# Altium PCB OCP-TimeCardMini-TI_V1.PcbDoc (part 10 of 11)
Units mil, origin at the board's own origin, x right, y up, seen from the top; angles counter-clockwise.
Board outline 5300.46 x 4396.02 mil, 10 copper layers (L01-TOP, L02-GND, L03-SIG, L04-GND, L05-PWR, L06-PWR, L07-GND, L08-SIG, L09-GND, L10-BOT), stack 77.164 mil thick; 832 components, 574 nets, 2904 pads, 1473 vias.
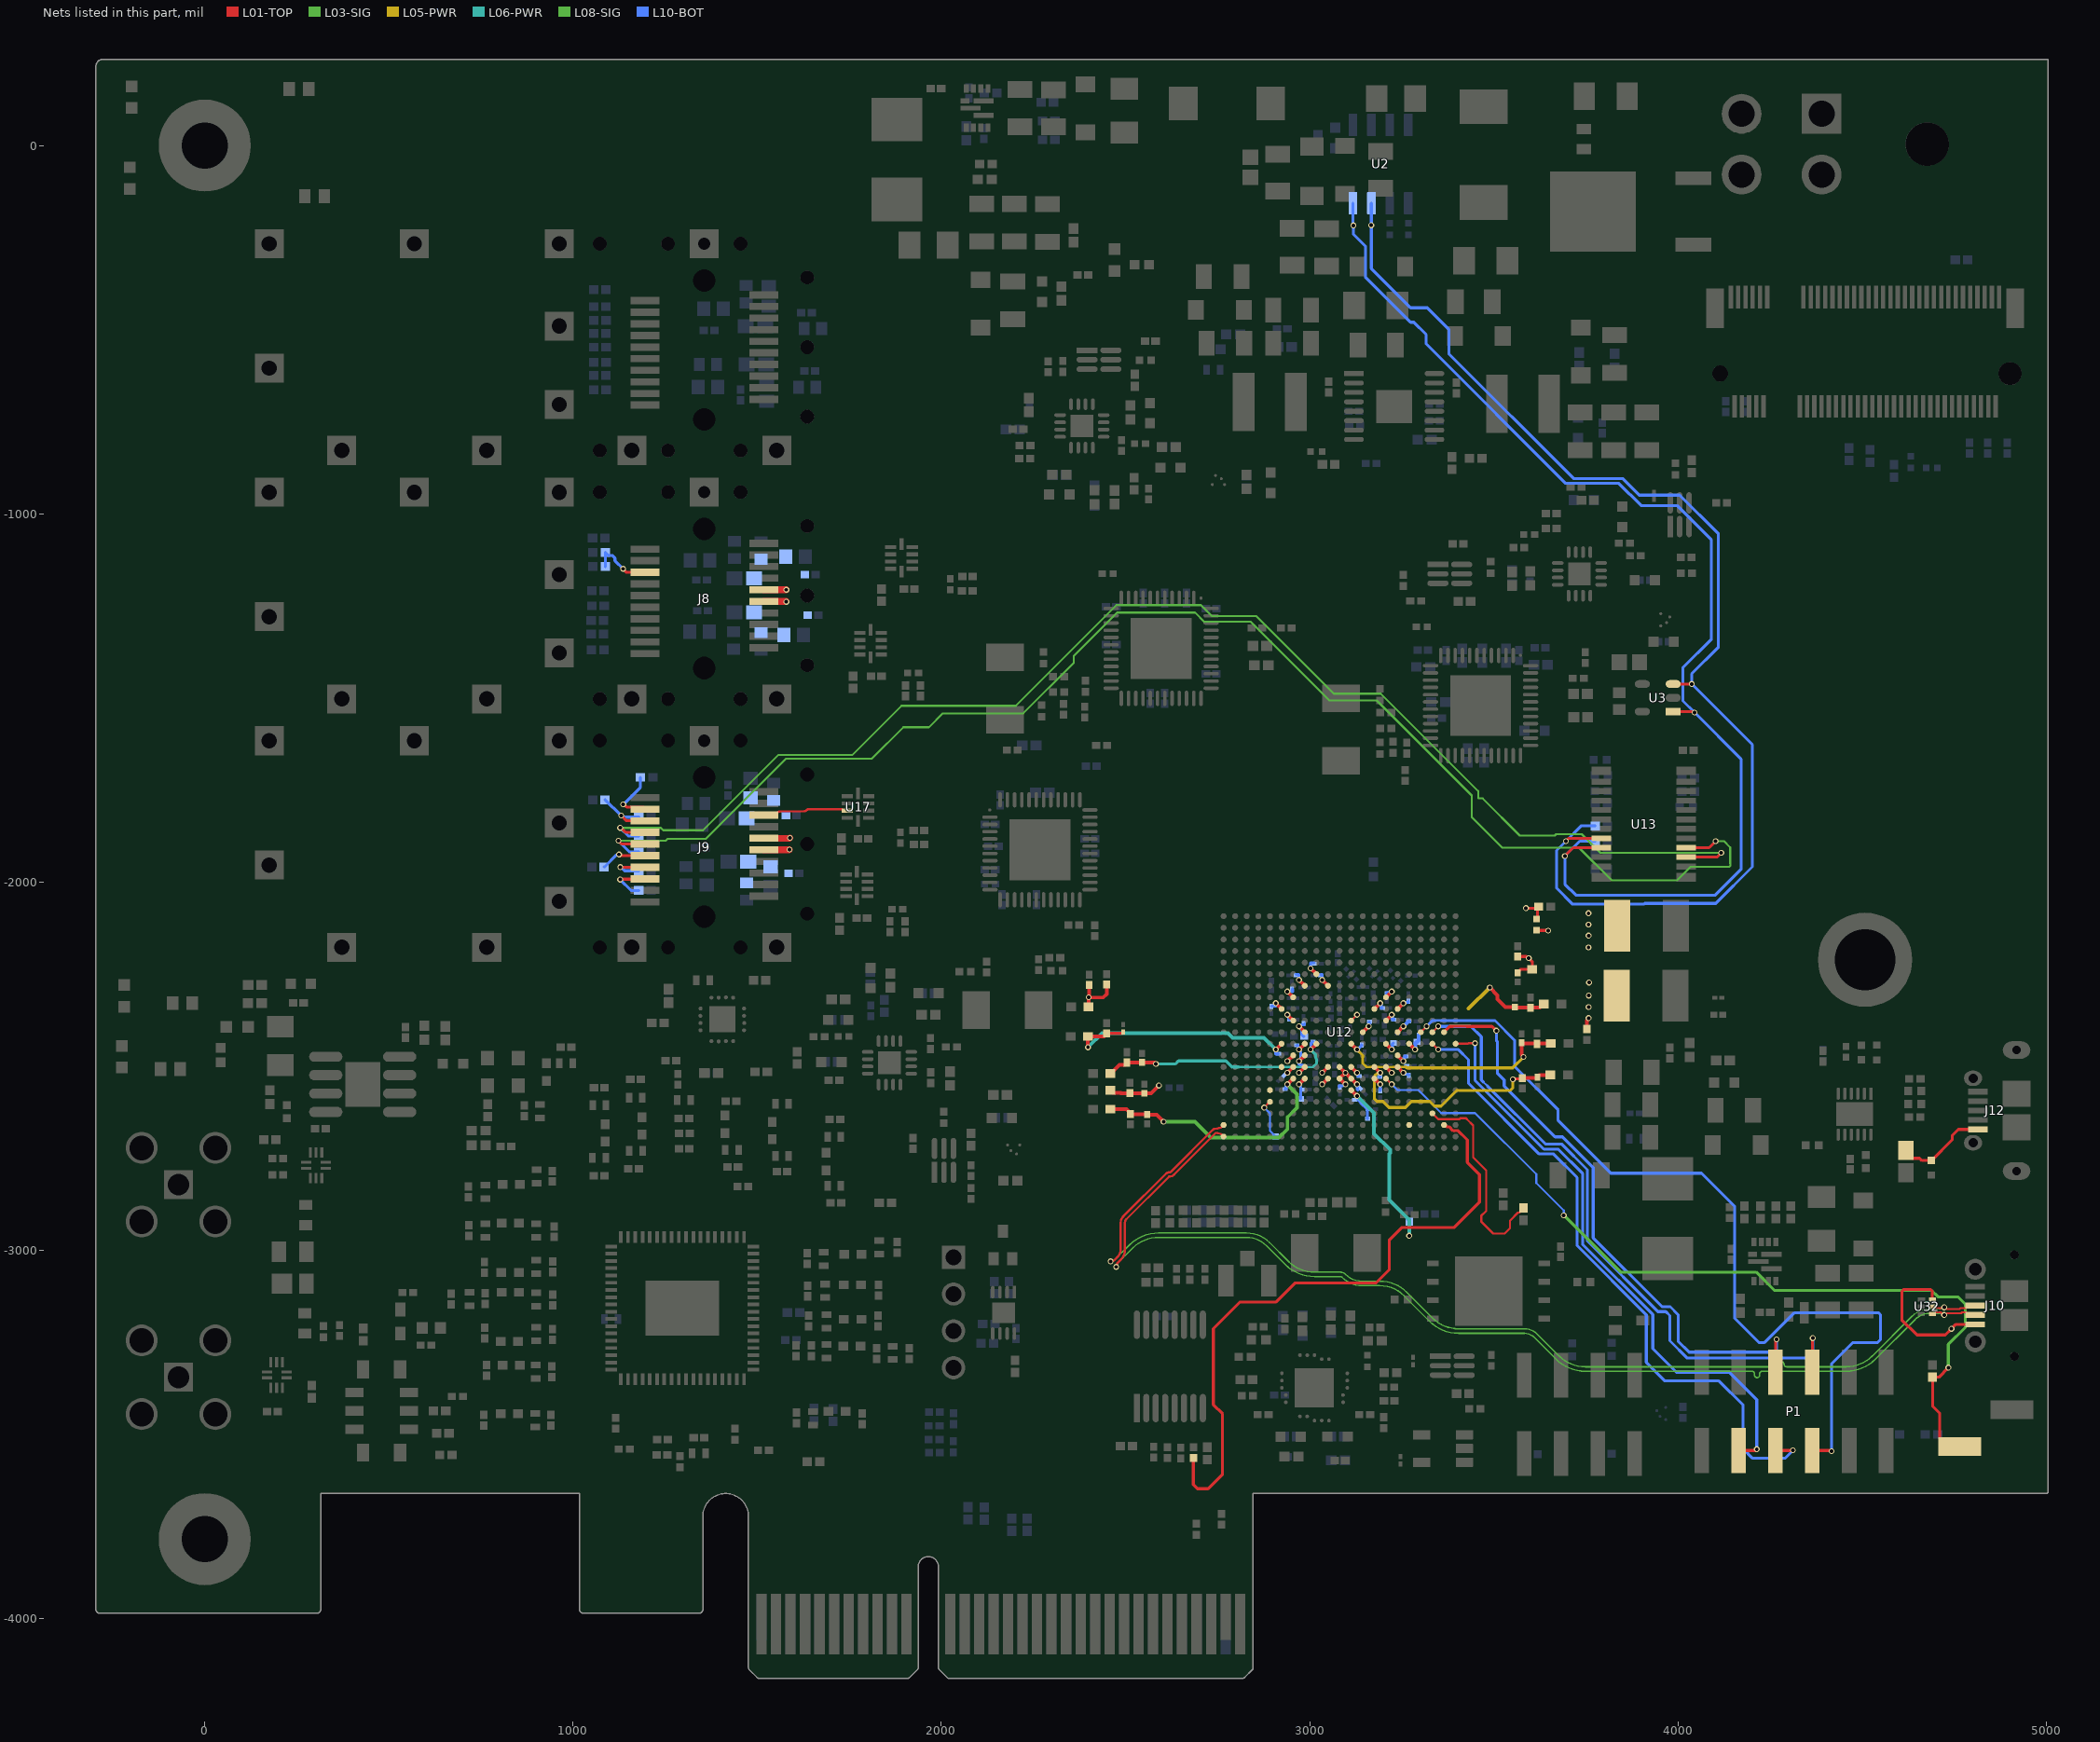
[diagram p18: the nets of this part, all layers, seen from the top]

## Via types
v1: diameter 16, hole 10, L01-TOP to L10-BOT, 1131 vias
v2: diameter 16, hole 10, L01-TOP to L10-BOT, tented both sides, 213 vias
v3: diameter 16, hole 10, L01-TOP to L10-BOT, tented top, 116 vias
v4: diameter 23.62, hole 11.81, L01-TOP to L10-BOT, 9 vias
v5: diameter 25.98, hole 12.99, L01-TOP to L10-BOT, tented top, 4 vias

## Nets (pads, with @x,y where several pads share a name; then routed paths per layer and width w, separated by ;. In a path a pad name is that pad's centre, name@x,y a point inside that pad or via, vN(x,y) a via of type N, cw(c..) or ccw(c..) an arc to the next point about the centre after c; other vN are vias at no path point) (continued)
SFP2_TX_P: J9.18 U17.3 | length 232.2
  L01-TOP w6: J9.18@1517.72,-1817.76 1540.17,-1817.76 ccw(c1540.17,-1800.68) 1552.25,-1812.76 cw(c1564.32,-1824.83) 1564.32,-1807.76 1626.44,-1807.76 ccw(c1626.44,-1797.68) 1633.57,-1804.8 cw(c1640.7,-1811.93) 1640.7,-1801.85 1727.46,-1801.85 cw(c1727.46,-1808.85) 1732.41,-1803.9 ccw(c1737.35,-1798.95) 1737.35,-1805.95 U17.3@1744.55,-1805.95
SFP2_TXDISABLE: J8.3 R18.1 R166.2 | length 171.9
  L01-TOP w8: v3(1135.74,-1149.23) 1145.39,-1158.88 J8.3@1194.88,-1158.88
  L10-BOT w8: R166.2@1087.57,-1143.13 1087.5,-1143.06 R18.1@1087.5,-1104.98 1095.31,-1112.79 1106.21,-1112.79 1113.72,-1120.3 1113.72,-1127.21 v3(1135.74,-1149.23)
SFP2_VCCR: C25.1 C27.2 C28.1 FB3.2 J8.15 | length 62
  L01-TOP w18: J8.15@1517.72,-1237.62 1578.11,-1237.62 v3(1579.21,-1238.72)
SFP2_VCCT: C33.1 C34.2 C35.1 FB4.2 J8.16 | length 61.5
  L01-TOP w18: J8.16@1517.72,-1206.12 1579.15,-1206.12 v3(1579.21,-1206.07)
SFP3_FAULT: J9.2 R15.2 | length 156.9
  L01-TOP w8: v3(1136.26,-1788.98) 1138.43,-1788.98 1145.62,-1796.17 1189.04,-1796.17 J9.2@1194.88,-1802.01
  L10-BOT w8: v3(1136.26,-1788.98) 1182.95,-1742.29 R15.2@1182.95,-1715.4
SFP3_LOS: J9.8 R27.2 | length 130.4
  L01-TOP w8: v3(1127.82,-1992.96) 1128.81,-1991.97 1193.9,-1991.97 J9.8@1194.88,-1990.99
  L10-BOT w8: v3(1127.82,-1992.96) 1157.35,-2022.48 R27.2@1178.15,-2022.48
SFP3_MOD_ABS: J9.6 R25.2 | length 126
  L01-TOP w8: v3(1124.92,-1924.81) 1128.1,-1928 J9.6@1194.88,-1928
  L10-BOT w8: R25.2@1084.3,-1958.74 1085.29,-1958.74 1117.68,-1926.34 1123.39,-1926.34 v3(1124.92,-1924.81)
SFP3_RATE_SELECT: J9.7 R26.2 | length 120.8
  L01-TOP w8: v3(1128.19,-1959.35) 1194.74,-1959.35 J9.7@1194.88,-1959.49
  L10-BOT w8: v3(1128.19,-1959.35) 1130.35,-1959.35 1140.34,-1969.33 R26.2@1178.15,-1969.33
SFP3_SCL: J9.5 R21.2 U13.16 | length 3966.1
  L01-TOP w8: v3(1123.1,-1887.73) 1131.87,-1896.5 J9.5@1194.88,-1896.5 ; U13.16@4022.21,-1906.5 4084.44,-1906.5 v1(4102.25,-1888.68)
  L03-SIG w5.58: v3(1123.1,-1887.73) 1251.34,-1887.73 1256.84,-1882.24 1360.81,-1882.24 1578.1,-1664.95 1811.04,-1664.95 1896.63,-1579.35 1966.32,-1579.35 2003.92,-1541.75 2222.16,-1541.75 2359.28,-1404.64 2359.28,-1385.85 2477.04,-1268.08 2688.78,-1268.08 2713.43,-1292.73 2839.55,-1292.73 3053.34,-1506.52 3181.74,-1506.52 3440.01,-1764.79 3440.01,-1823.28 3523.23,-1906.5 3731.26,-1906.5 3820.07,-1995.3 3997.25,-1995.3 4034.33,-1958.23 4139.29,-1958.23 4142.56,-1954.96 4142.56,-1950.34 4141.73,-1949.51 4141.73,-1905.51 4124.9,-1888.68 v1(4102.25,-1888.68)
  L10-BOT w8: v3(1123.1,-1887.73) 1153.52,-1918.15 R21.2@1178.15,-1918.15
SFP3_SDA: J9.4 R19.2 U13.15 | length 3770.8
  L01-TOP w8: v3(1127.82,-1852.47) 1129.99,-1852.47 1142.05,-1864.53 1145.22,-1864.53 1145.69,-1865 J9.4@1194.88,-1865 ; U13.15@4022.21,-1932.09 4105.72,-1932.09 v1(4117.39,-1920.42)
  L03-SIG w5.58: v3(1127.82,-1852.47) 1238.14,-1852.47 1244.84,-1859.16 1352.81,-1859.16 1557.6,-1654.37 1758.71,-1654.37 1891.8,-1521.28 2202.03,-1521.28 2475.37,-1247.95 2705.02,-1247.95 2734.55,-1277.48 2854.66,-1277.48 3065.47,-1488.29 3193.05,-1488.29 3457.47,-1752.71 3457.47,-1772.65 3469.79,-1772.65 3570.59,-1873.45 3665.07,-1873.45 3668.9,-1869.63 3738.54,-1869.63 3789.33,-1920.42 v1(4117.39,-1920.42)
  L10-BOT w8: v3(1127.82,-1852.47) 1150.2,-1874.85 R19.2@1178.15,-1874.85
SFP3_TXDISABLE: J9.3 R1.2 R28.1 | length 181.2
  L01-TOP w8: v3(1130.73,-1819.02) 1145.22,-1833.51 J9.3@1194.88,-1833.51
  L10-BOT w8: R28.1@1086.63,-1776.42 1087.61,-1776.42 1130.21,-1819.02 v3(1130.73,-1819.02) 1132.9,-1819.02 1137.54,-1823.67 R1.2@1178.15,-1823.67
SFP3_VCCR: C50.1 C51.2 C52.1 FB7.2 J9.15 | length 70.4
  L01-TOP w18: J9.15@1517.72,-1912.25 1586.79,-1912.25 v3(1587.7,-1911.35)
SFP3_VCCT: C40.1 C41.2 C42.1 FB6.2 J9.16 | length 71.5
  L01-TOP w18: J9.16@1517.72,-1880.75 1587.75,-1880.75 v3(1588.79,-1879.72)
SOC_DVDD1V8: C423.1 C424.1 C425.1 C426.1 C427.1 C428.1 FB9.2 R186.2 U12.E12 U12.K14 U12.K16 | length 678.9
  L01-TOP w10: U12.K16@3112.71,-2564.79 v2(3128.46,-2580.54) ; U12.K14@3112.71,-2501.8 v2(3128.46,-2517.55) ; U12.E12@3270.19,-2438.81 v2(3285.94,-2454.56)
  L06-PWR w10: v2(3128.46,-2580.54) 3174.86,-2626.94 3174.86,-2683.34 3218.26,-2726.75 3218.26,-2735.03 3215.74,-2737.56 3215.74,-2863.6 3270.19,-2918.05 v1(3270.19,-2960.01)
  L10-BOT w8: v2(3128.46,-2580.54) 3128.46,-2582.71 3131.55,-2585.79 3131.55,-2592.17 3132.72,-2593.34 3136.32,-2593.34 3137.49,-2594.51 3137.49,-2597.63 C426.1@3156.69,-2616.83 ; v2(3128.46,-2517.55) 3129.99,-2519.08 3129.99,-2522.81 3130.94,-2523.75 3130.94,-2525.55 3132.11,-2526.72 C425.1@3133.91,-2526.72 ; C428.1@3156.85,-2642.22 3156.85,-2618 3158.02,-2616.83 C426.1@3158.49,-2616.83 ; v1(3270.19,-2960.01) 3270.77,-2959.42 R186.2@3270.77,-2921.88
  L10-BOT w10: v2(3285.94,-2454.56) 3287.09,-2453.41 3287.09,-2436.54 3290.03,-2433.6 C423.1@3290.89,-2433.6 3292.33,-2433.6 3295.27,-2430.66 3295.27,-2429.22 3296.02,-2428.47 3296.02,-2415.8 C427.1@3296.19,-2415.63
  other v1: 3757.01,-2177.5 3757.42,-2145.11 3757.01,-2115.31 3757.01,-2084.35
SOC_DVDD3V3: C338.2 C385.1 C386.1 C387.1 C388.1 C389.1 C390.1 C391.1 C392.1 C393.1 C394.1 C398.1 C399.1 C400.1 C401.1 C402.1 C403.1 C404.1 C405.1 C406.1 FB8.2 R174.2 U12.F9 U12.F11 U12.F13 U12.F14 U12.G8 U12.G10 U12.G12 U12.G14 U12.H15 U12.K15 U12.L14 U12.L15 U12.M7 U12.M14 U12.M15 U12.N6 U12.P7 U12.P14 U12.P15 U12.R8 U12.R10 U12.R13 U12.T9 | length 966.2
  L01-TOP w8: R174.2@3615.92,-2131.06 3646.65,-2131.06 v1(3647.45,-2131.85)
  L01-TOP w10: v2(2907.99,-2328.57) U12.T9@2923.74,-2344.32 ; v2(2939.49,-2486.05) U12.R13@2955.23,-2470.31 ; v2(2939.49,-2360.07) U12.R10@2955.23,-2375.82 ; v2(2939.49,-2297.08) U12.R8@2955.23,-2312.83 ; v2(2970.98,-2549.05) U12.P15@2986.73,-2533.3 ; v2(2970.98,-2517.55) U12.P14@2986.73,-2501.8 ; v2(2970.98,-2265.58) U12.P7@2986.73,-2281.33 ; v2(3002.48,-2234.09) U12.N6@3018.23,-2249.83 ; v2(3033.97,-2549.05) U12.M15@3049.72,-2533.3 ; v2(3033.97,-2517.55) U12.M14@3049.72,-2501.8 ; v2(3033.97,-2265.58) U12.M7@3049.72,-2281.33 ; U12.L14@3081.22,-2501.8 v2(3096.97,-2517.55) ; v2(3096.97,-2549.05) 3081.22,-2533.3 v2(3096.97,-2517.55) ; v2(3128.46,-2549.05) v2(3096.97,-2517.55) ; U12.H15@3175.71,-2533.3 v2(3191.45,-2549.05) ; U12.G14@3207.2,-2501.8 v2(3222.95,-2517.55) ; U12.G12@3207.2,-2438.81 v2(3222.95,-2454.56) ; U12.G10@3207.2,-2375.82 v2(3222.95,-2360.07) ; U12.G8@3207.2,-2312.83 v2(3222.95,-2297.08) ; U12.F14@3238.7,-2501.8 v2(3254.45,-2517.55) ; U12.F13@3238.7,-2470.31 v2(3254.45,-2486.05) ; U12.F11@3238.7,-2407.31 v2(3254.45,-2391.57) ; U12.F9@3238.7,-2344.32 v2(3254.45,-2328.57) ; C338.2@3752.38,-2398.66 3752.38,-2375.91 3757.42,-2370.87 v1(3757.42,-2369.25)
  L10-BOT w8: C390.1@2896.19,-2336.76 2907.99,-2336.76 v2(2907.99,-2328.57) ; v2(2939.49,-2360.07) 2939.49,-2362.23 2944.44,-2367.19 2944.44,-2372.62 2945.61,-2373.79 C389.1@2947.41,-2373.79 ; v2(2939.49,-2297.08) 2953.44,-2297.08 C391.1@2953.44,-2290.64 ; C392.1@2963.61,-2250.87 2970.98,-2250.87 v2(2970.98,-2265.58) ; v2(2970.98,-2549.05) 2970.98,-2551.21 2975.83,-2556.06 2975.83,-2563.97 2975.45,-2564.35 C385.1@2975.45,-2588.25 ; v2(3002.48,-2234.09) 3002.48,-2219.31 C394.1@3012.19,-2219.31 ; C393.1@3029.75,-2251.1 3033.97,-2251.1 v2(3033.97,-2265.58) ; C387.1@3080.11,-2555.77 3080.11,-2553.97 3081.28,-2552.8 3091.05,-2552.8 3094.8,-2549.05 v2(3096.97,-2549.05) ; v2(3128.46,-2549.05) 3129.61,-2550.2 3129.61,-2563.09 3130.76,-2564.24 ; C400.1@3191.51,-2565.94 v2@3191.48,-2549.07 ; C401.1@3209.08,-2302.96 3209.08,-2301.16 3210.25,-2299.99 3217.87,-2299.99 3220.79,-2297.08 v2(3222.95,-2297.08) ; v2(3222.95,-2454.56) 3224.48,-2453.03 3224.48,-2439.88 C386.1@3227.51,-2436.86 ; v2(3254.45,-2517.55) 3256.61,-2517.55 3260.73,-2521.67 3268.31,-2521.67 3269.49,-2522.84 C406.1@3269.49,-2524.64 ; v2(3254.45,-2328.57) 3256.61,-2328.57 3258.87,-2326.32 3266.99,-2326.32 3268.16,-2325.15 C402.1@3268.16,-2323.35
  L10-BOT w10: v2(3222.95,-2360.07) 3224.1,-2361.22 3224.1,-2369.28 3226.16,-2371.35 3226.16,-2373.15 3226.34,-2373.32 C403.1@3228.13,-2373.32 ; v2(3254.45,-2486.05) 3255.59,-2484.91 3255.59,-2478.43 3258.71,-2475.31 3258.71,-2473.51 3258.89,-2473.34 C405.1@3260.68,-2473.34 ; v2(3254.45,-2391.57) 3254.78,-2391.57 3264.13,-2382.22 3268.44,-2377.9 C404.1@3270.24,-2377.9
  other v1: 3757.42,-2339.24 3757.81,-2308.07 3758.58,-2272.68
TCK: P1.6 U12.B11 | length 1628.4
  L01-TOP w7.42: 3389.34,-2391.57 3426.39,-2391.57 3426.68,-2391.86
  L01-TOP w8: U12.B11@3364.68,-2407.35 3380.43,-2391.6 3389.3,-2391.6 3389.34,-2391.57 ; 3426.68,-2391.86 3494.76,-2391.86 3506.34,-2403.43 v3(3506.75,-2403.43) ; P1.6@4264.96,-3330.71 4264.96,-3244.23 v1(4267.79,-3241.41)
  L10-BOT w8: v3(3506.75,-2403.43) 3506.75,-2429.92 3509.48,-2432.65 3509.48,-2518.14 3528.12,-2536.79 3528.12,-2553.44 3666.34,-2691.65 3686.19,-2691.65 3769.59,-2775.05 3769.59,-2966.01 3956.58,-3153 3979.03,-3153 4000.37,-3174.34 4000.37,-3246.62 4030.16,-3276.41 4263.1,-3276.41 4267.79,-3271.72 v1(4267.79,-3241.41)
TDI: P1.8 U12.C11 | length 1770.5
  L01-TOP w5.8: U12.C11@3333.19,-2407.31 v2(3348.93,-2391.57)
  L01-TOP w8: P1.8@4364.96,-3330.71 4364.96,-3238.96 v1(4366.04,-3237.88)
  L10-BOT w5.8: 3471.27,-2542.13 3482.79,-2553.65
  L10-BOT w8: v2(3348.93,-2391.57) 3437.63,-2391.57 3465.93,-2419.87 3465.93,-2536.79 3471.27,-2542.13 ; 3482.79,-2553.65 3640.08,-2710.94 3683.87,-2710.94 3753.86,-2780.92 3753.86,-2974.59 3945.27,-3166 3966.89,-3166 3977.93,-3177.04 3977.93,-3245.37 4024.86,-3292.3 4346.2,-3292.3 4366.04,-3272.46 v1(4366.04,-3237.88)
TDO: P1.3 U12.A12 | length 1630.2
  L01-TOP w5.8: U12.A12@3396.18,-2438.81 3429.53,-2438.81 3431.03,-2437.31 v2(3448.93,-2437.31)
  L01-TOP w8: P1.3@4164.96,-3543.31 4210.27,-3543.31 v1(4213.87,-3539.71)
  L10-BOT w8: v2(3448.93,-2437.31) 3448.93,-2538.18 3635.84,-2725.09 3675.22,-2725.09 3740.85,-2790.72 3740.85,-2983.16 3931.74,-3174.06 3931.74,-3266.78 3995.67,-3330.71 4139.3,-3330.71 4213.87,-3405.28 v1(4213.87,-3539.71)
TIMER_IO0: R237.1 U12.C18 | length 577.2
  L01-TOP w5.8: U12.C18@3333.19,-2627.79 3348.93,-2643.53 3406.59,-2643.53 3409.22,-2640.9 3424.05,-2640.9 3426.68,-2643.53 3443.79,-2660.64 3443.79,-2747.49 3479.22,-2782.92 3479.22,-2892.89 3465.69,-2906.42 3465.69,-2921.24 3498.6,-2954.15 3529.01,-2954.15 3543.68,-2939.48 3543.68,-2919.32 3565.66,-2897.34 3568.95,-2897.34 3580.74,-2885.55 R237.1@3580.74,-2884.57
TIMER_IO1: R230.1 U12.B19 | length 1751.8
  L01-TOP w7.49: 3392.13,-2675.11 3403.06,-2675.11
  L01-TOP w8: R230.1@2684.04,-3564.28 2684.04,-3635.49 2695.38,-3646.83 2724.31,-3646.83 2763.41,-3607.74 2763.41,-3443.74 2738.45,-3418.79 2738.45,-3212.48 2811.1,-3139.83 2908.91,-3139.83 2960.79,-3087.95 3180.69,-3087.95 3215.85,-3052.78 3215.85,-2972.64 3251.01,-2937.48 3392.48,-2937.48 3461.16,-2868.8 3461.16,-2794.25 3427.93,-2761.01 3427.93,-2699.9 3426.68,-2698.65 3403.14,-2675.11 3403.06,-2675.11 ; U12.B19@3364.68,-2659.35 3366.84,-2659.35 3371.62,-2664.13 3378.32,-2664.13 3389.05,-2674.85 3391.88,-2674.85 3392.13,-2675.11
TMS: P1.5 U12.C12 | length 1792.1
  L01-TOP w5.8: U12.C12@3333.19,-2438.81 v2(3348.93,-2454.56)
  L01-TOP w8: P1.5@4264.96,-3543.31 4311.56,-3543.31 v1(4312.13,-3542.74)
  L10-BOT w8: v2(3348.93,-2454.56) 3403.64,-2454.56 3431.22,-2482.14 3431.22,-2546 3623.31,-2738.09 3662,-2738.09 3726.04,-2802.13 3726.04,-2986.74 3914.1,-3174.8 3914.1,-3303.82 3964.69,-3354.4 4111.14,-3354.4 4176.67,-3419.94 4176.67,-3538.38 4202.68,-3564.4 4290.47,-3564.4 v1(4312.13,-3542.74)
TOP_SENS_I2C_SCL: R118.1 U2.4 U3.1 U13.9 | length 3319.1
  L01-TOP w8: v1(3692.91,-1929.13) 3715.55,-1906.5 U13.9@3791.9,-1906.5 ; U3.1@3987.1,-1536.86 4042.3,-1536.86 v1(4045.11,-1539.67)
  L10-BOT w8: U2.4@3117.57,-156.5 3117.57,-215.56 v1(3118.79,-216.78) 3118.79,-240.53 3151.32,-273.06 3151.32,-357.08 3274.01,-479.77 3282.75,-479.77 3315.98,-513 3315.98,-538.37 3694.92,-917.31 3839.62,-917.31 3899.81,-977.5 3997.07,-977.5 4090.78,-1071.21 4090.78,-1340.14 4013.33,-1417.58 4013.33,-1507.9 v1(4045.11,-1539.67) 4171.28,-1665.84 4171.28,-1965.55 4101.44,-2035.39 3722.76,-2035.39 3692.91,-2005.55 v1(3692.91,-1929.13) 3733.27,-1888.78 R118.1@3775.17,-1888.78
TOP_SENS_I2C_SDA: R117.1 U2.3 U3.3 U13.8 | length 3435.6
  L01-TOP w8: v1(3695.55,-1888.68) 3703.32,-1880.91 U13.8@3791.9,-1880.91 ; U3.3@3987.1,-1462.06 v1(4037.43,-1462.12) v1(4037.43,-1462.12)
  L10-BOT w8: U2.3@3167.57,-156.5 3167.57,-215.95 v1(3167.22,-216.31) 3167.22,-333.92 3274.01,-440.72 3319.19,-440.72 3377.76,-499.28 3377.76,-565.22 3716.47,-903.94 3849.34,-903.94 3894.52,-949.11 4004.47,-949.11 4109.76,-1054.4 4109.76,-1361.88 4037.43,-1434.21 v1(4037.43,-1462.12) 4201.92,-1626.6 4201.92,-1958.43 4102.77,-2057.58 3909.39,-2057.58 3907.21,-2059.76 3713.83,-2059.76 3670.24,-2016.17 3670.24,-1913.99 v1(3695.55,-1888.68) 3736.79,-1847.44 R117.1@3775.17,-1847.44
TRSTN: P1.7 U12.D11 | length 2413.4
  L01-TOP w5.8: U12.D11@3301.69,-2407.31 v2(3317.44,-2391.57)
  L01-TOP w8: P1.7@4364.96,-3543.31 4414.98,-3543.31 v1(4416.93,-3545.26)
  L10-BOT w6.99: 3342.31,-2375.57 3355.56,-2375.57
  L10-BOT w8: v2(3317.44,-2391.57) 3333.19,-2375.82 3342.05,-2375.82 3342.31,-2375.57 ; 3355.56,-2375.57 3356.07,-2376.07 3426.68,-2376.07 3503.43,-2376.07 3556.63,-2429.27 3556.63,-2500.88 3674.37,-2618.63 3674.37,-2646.99 3817.68,-2790.29 4063.94,-2790.29 4153.68,-2880.03 4153.68,-3184.05 4219.66,-3250.03 4235.12,-3250.03 4315.51,-3169.64 4545.11,-3169.64 4549.8,-3174.32 4549.8,-3242.23 4542.09,-3249.94 4475,-3249.94 4416.93,-3308.01 v1(4416.93,-3545.26)
USB0_DM: J10.2 U12.AA20 U32.4 | length 3105
  L01-TOP w6: v1(2474.46,-3044.73) ccw(c2469.84,-3040.11) 2476.38,-3040.11 2476.38,-3039.45 cw(c2484.49,-3039.45) 2478.75,-3033.71 2487.37,-3025.1 ccw(c2460.83,-2998.56) 2498.36,-2998.56 2498.36,-2924.49 cw(c2510.79,-2924.49) 2502,-2915.71 2618.1,-2799.61 2618.15,-2799.61 ccw(c2618.15,-2780.41) 2631.73,-2793.99 2744.87,-2680.85 2745.23,-2680.85 cw(c2745.23,-2709.53) 2765.51,-2689.25 cw(c2763.91,-2690.85) U12.AA20@2766.18,-2690.85 ; U32.4@4690.6,-3172.29 4693.51,-3169.39 4699.57,-3169.39 4700.76,-3168.19 4712.87,-3168.19 4720.07,-3175.4 v1(4722.78,-3175.4) ; 4730.24,-3170.65 4769.01,-3170.65 4771.51,-3168.15 4781.34,-3168.15 4788.39,-3175.2 J10.2@4807.09,-3175.2
  L08-SIG w4: v1(2474.46,-3044.73) v1(2474.46,-3044.73) ccw(c2469.12,-3039.27) 2476.76,-3039.27 cw(c2484.4,-3039.27) 2479,-3033.86 2519,-2993.86 cw(c2589.71,-3064.57) 2589.71,-2964.57 2828.43,-2964.57 cw(c2828.43,-3040.88) 2882.39,-2986.92 2933.65,-3038.18 ccw(c3012.83,-2959) 2933.75,-3038.28 ccw(c3012.83,-2959) 3012.83,-3070.98 3082.79,-3070.98 cw(c3082.79,-3078.98) 3088.45,-3073.32 3088.51,-3073.39 ccw(c3141.84,-3020.06) 3141.84,-3095.48 3190.33,-3095.48 cw(c3190.33,-3187.75) 3255.57,-3122.5 3325.16,-3192.09 ccw(c3404.34,-3112.91) 3404.34,-3224.89 3583.04,-3224.89 cw(c3583.04,-3262.37) 3609.54,-3235.87 3668.92,-3295.24 ccw(c3748.1,-3216.06) 3747.95,-3328.04 ccw(c3748.1,-3216.06) 3748.1,-3328.04 4184.65,-3328.04 4200.65,-3328.04 cw(c4200.65,-3335.04) 4207.65,-3335.04 4207.65,-3338.43 ccw(c4214.65,-3338.43) 4221.65,-3338.43 4221.65,-3335.04 cw(c4228.65,-3335.04) 4228.65,-3328.04 4325.03,-3328.04 4456.86,-3328.04 ccw(c4456.86,-3216.11) 4536,-3295.26 4643.73,-3187.53 cw(c4683.82,-3227.62) 4683.82,-3170.93 4711.89,-3170.93 cw(c4711.89,-3178.57) 4717.3,-3173.16 ccw(c4722.7,-3167.76) 4722.7,-3175.4 v1(4722.78,-3175.4)
USB0_DP: J10.3 U12.AA19 U32.5 | length 3105
  L01-TOP w6: v1(2459.61,-3029.88) cw(c2464.23,-3034.5) 2464.23,-3027.97 2464.89,-3027.97 ccw(c2464.89,-3019.85) 2470.63,-3025.59 2477.56,-3018.66 ccw(c2455.08,-2996.18) 2486.87,-2996.18 2486.87,-2924.42 cw(c2510.6,-2924.42) 2493.82,-2907.64 2610,-2791.46 cw(c2618.06,-2799.52) 2618.06,-2788.12 ; 2618.1,-2788.12 ccw(c2618.1,-2780.28) 2623.63,-2785.83 ; 2623.64,-2785.82 2736.77,-2672.7 cw(c2744.83,-2680.76) 2744.83,-2669.36 2745.23,-2669.36 ccw(c2745.23,-2640.67) 2765.51,-2660.96 ccw(c2763.91,-2659.35) U12.AA19@2766.18,-2659.35 ; U32.5@4690.6,-3152.61 4693.51,-3155.51 4699.57,-3155.51 4700.76,-3156.7 4714.27,-3156.7 ; 4730.24,-3159.16 4764.25,-3159.16 4766.75,-3156.66 4781.34,-3156.66 4788.39,-3149.61 J10.3@4807.09,-3149.61
  L08-SIG w4: v1(2459.61,-3029.88) 2459.67,-3029.82 cw(c2465.07,-3035.22) 2465.07,-3027.58 ccw(c2465.07,-3019.94) 2470.47,-3025.35 2510.5,-2985.32 cw(c2589.69,-3064.5) 2589.69,-2952.52 2828.58,-2952.52 cw(c2828.58,-3040.5) 2890.8,-2978.29 2942.15,-3029.64 ccw(c3012.86,-2958.93) 3012.86,-3058.93 3082.86,-3058.93 cw(c3082.86,-3078.8) 3096.91,-3064.75 3096.97,-3064.8 ccw(c3141.93,-3019.84) 3141.93,-3083.43 3190.37,-3083.43 cw(c3190.37,-3187.65) 3264.06,-3113.96 3333.66,-3183.55 ccw(c3404.37,-3112.84) 3404.37,-3212.84 3583.09,-3212.84 cw(c3583.09,-3262.25) 3618.02,-3227.31 3677.41,-3286.7 ccw(c3748.13,-3215.99) 3748.13,-3315.99 4264.96,-3315.99 4266.96,-3315.99 ccw(c4266.96,-3308.99) 4273.96,-3308.99 cw(c4280.96,-3308.99) 4287.96,-3308.99 ccw(c4294.96,-3308.99) 4294.96,-3315.99 4337.37,-3315.99 4456.81,-3315.99 ccw(c4456.81,-3215.99) 4527.52,-3286.7 4635.24,-3178.98 cw(c4683.77,-3227.5) 4683.77,-3158.88 4711.89,-3158.88 ccw(c4711.89,-3151.24) 4717.3,-3156.64 cw(c4722.7,-3162.04) 4722.7,-3154.4 v1(4722.78,-3154.4)
USB0_DRVVBUS: U12.E19
USB0_ID: U12.U16
USB0_RCALIB: R172.2 U12.U17 | length 114.1
  L01-TOP w5.8: v2(2876.49,-2612.04) U12.U17@2892.18,-2596.35 U12.U17@2892.24,-2596.29
  L10-BOT w5.8: v2(2876.49,-2612.04) 2892.34,-2627.88 2892.34,-2675.2 R172.2@2907.99,-2690.85
USB0_VBUS: U12.T14
USB_VBUS: C457.1 FB10.1 J12.1 | length 250.8
  L01-TOP w8: FB10.1@4619.18,-2728.08 4619.18,-2732.96 4636.01,-2749.79 4656.07,-2749.79 4662.07,-2755.79 C457.1@4687.97,-2755.79 4744.55,-2699.21 4744.55,-2687.84 4761.08,-2671.32 J12.1@4813.98,-2671.32
VBUS_USB: J10.1 U32.6 | length 414.4
  L01-TOP w8: U32.6@4690.6,-3132.92 4690.6,-3110.99 4685.91,-3106.3 4612.53,-3106.3 4607.84,-3110.99 4607.84,-3188.75 4648.68,-3229.59 4725.56,-3229.59 v1(4742.43,-3212.72) 4754.36,-3200.79 J10.1@4807.09,-3200.79
VDD_DLL_MMC0: C353.1 C354.1 C355.1 L26.2 U12.H14 | length 656.2
  L01-TOP w8: v1(3551.69,-2535.5) 3553.22,-2533.97 3575.92,-2533.97 C354.1@3577.49,-2532.4
  L01-TOP w10: U12.H14@3175.71,-2501.8 v2(3191.45,-2517.55) ; C354.1@3577.49,-2532.4 3578.79,-2531.1 3617.36,-2531.1 C355.1@3618.67,-2529.8 3618.67,-2528.35 3623.5,-2523.52 L26.2@3653.54,-2523.52
  L05-PWR w7.47: 3175.7,-2555.91 3175.7,-2542.18
  L05-PWR w8: 3175.7,-2555.91 3175.96,-2556.18 3175.96,-2589.23 3182.31,-2595.58 3198.83,-2595.58 3215.3,-2612.04 3259.84,-2612.04 3276.3,-2595.58 3326.07,-2595.58 3338.76,-2608.27 3356.7,-2608.27 3399.15,-2565.82 3544.11,-2565.82 3551.69,-2558.24 v1(3551.69,-2535.5) ; 3175.7,-2542.18 3176.66,-2541.21 3176.66,-2525.78 3183.35,-2519.08
  L10-BOT w8: C353.1@3190.34,-2529.17 3190.9,-2528.61 3190.9,-2518.11 v2(3191.45,-2517.55)
VDDA_1V8_MCU: C356.1 C357.1 C358.1 L27.2 U12.K12 | length 660.9
  L01-TOP w10: U12.K12@3112.71,-2438.81 v2(3128.46,-2454.56) ; v1(3580.72,-2474.73) 3580.72,-2473.11 3575.54,-2467.93 C358.1@3575.54,-2436.18 3576.99,-2437.63 3616.07,-2437.63 C357.1@3617.53,-2439.09 3618.19,-2438.42 3654.25,-2438.42 L27.2@3654.92,-2437.76
  L05-PWR w6.99: 3143.96,-2478.92 3143.96,-2491.97 3153.54,-2501.55 3261.07,-2501.55
  L05-PWR w8: v2(3128.46,-2454.56) 3128.46,-2454.77 3143.96,-2470.26 3143.96,-2478.92 ; 3261.07,-2501.55 3263.84,-2504.31 3551.14,-2504.31 v1(3580.72,-2474.73)
  L10-BOT w8: v2(3128.46,-2454.56) 3130.11,-2454.56 3140.96,-2443.71 C356.1@3140.96,-2441.91
VDDA_1V8_SERDES: C340.1 C341.1 C342.1 L23.2 U12.R14 | length 165.9
  L01-TOP w10: L23.2@2459.15,-2565.29 2465.96,-2572.1 2486.8,-2572.1 2487.62,-2572.92 C341.1@2511.73,-2572.92 2511.95,-2573.14 2550.77,-2573.14 C342.1@2550.99,-2573.36 2569.43,-2573.36 v1(2590.65,-2552.14) ; v2(2939.49,-2517.55) U12.R14@2955.23,-2501.8
VDDA_1V8_USB0: C350.1 C351.1 C352.1 L25.2 U12.R15 | length 705.9
  L01-TOP w10: L25.2@2459.15,-2616.38 2502.25,-2616.38 2513.23,-2627.36 C351.1@2513.23,-2629.16 2514.31,-2630.24 2557.86,-2630.24 C352.1@2558.93,-2631.31 2584.31,-2631.31 v3(2603.35,-2650.35) ; v2(2939.49,-2549.05) U12.R15@2955.18,-2533.35
  L03-SIG w10: v3(2603.35,-2650.35) 2688.48,-2650.35 2731.92,-2693.79 2916.56,-2693.79 2939.6,-2670.75 2939.6,-2638.44 2966,-2612.04 2966,-2575.56 v2(2939.49,-2549.05)